# Altium PCB PCB2.PcbDoc (part 2 of 3)
Units mm, origin at the board's own origin, x right, y up, seen from the top; angles counter-clockwise.
Board outline 115.44 x 192.91 mm, 4 copper layers (Top Layer, SignalTop, SignalBottom, Bottom Layer), stack 0.532 mm thick; 200 components, 223 nets, 800 pads, 226 vias.
Unrouted connection lines stored in the file: 2.
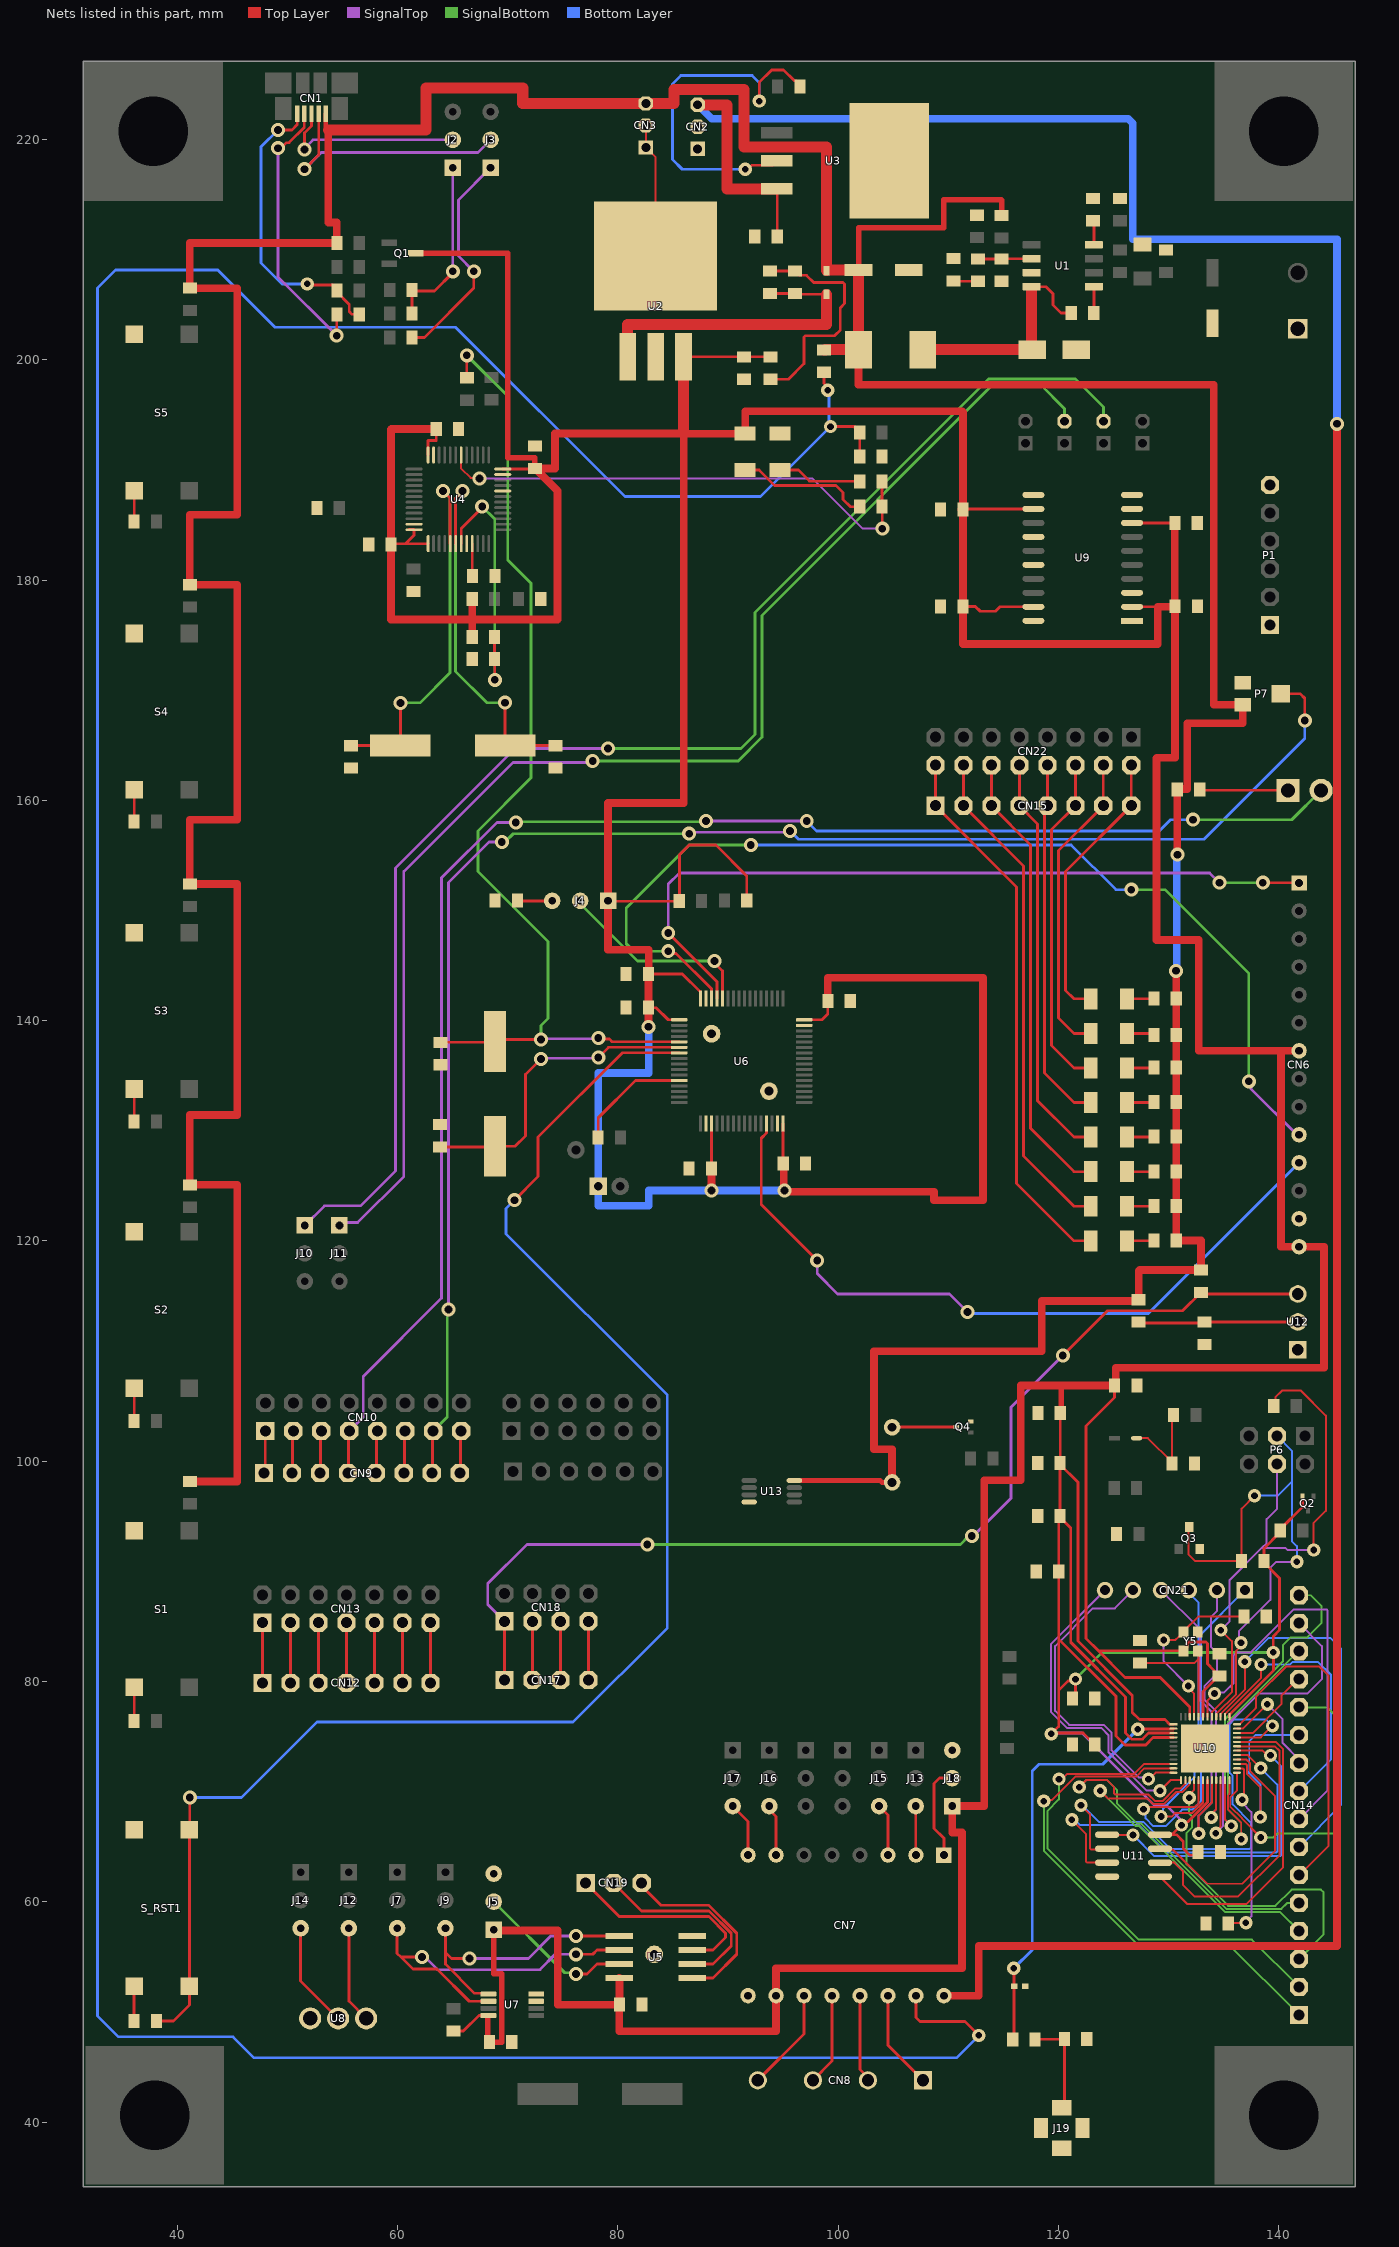
[diagram p4: the nets of this part, all layers, seen from the top]

## Via types
v1: diameter 1.27, hole 0.711, Top Layer to Bottom Layer, tented top, 165 vias
v2: diameter 1.2, hole 0.6, Top Layer to Bottom Layer, 59 vias
v3: diameter 6, hole 3, Top Layer to Bottom Layer, 2 vias

## Nets (pads, with @x,y where several pads share a name; then routed paths per layer and width w, separated by ;. In a path a pad name is that pad's centre, name@x,y a point inside that pad or via, vN(x,y) a via of type N, cw(c..) or ccw(c..) an arc to the next point about the centre after c; other vN are vias at no path point)
+5V: BUZ1.1 C1.1 C3.2 CN1.1 CN3.3 D2.2 L1.2 P7.2 R2.2 R10.2 R35.1 R36.1 R37.1 R38.1 R39.1 R40.1 R41.1 R42.1 R43.1 R44.1 R45.1 R46.1 R47.1 R48.1 R49.2 R50.1 U13.8 | length 460.9
  Top Layer w0.4: 53.497,220.853 CN1.1@53.497,222.317
  Top Layer w0.45: U13.8@96.03,98.257 103.8,98.257 103.973,98.084 BUZ1.1@104.902,98.084
  Top Layer w0.5: C1.1@101.854,208.153 101.854,211.963 109.601,211.963 109.601,214.503 114.808,214.503 114.84,214.471 R2.2@114.84,213.089
  Top Layer w0.7: R35.1@41.148,98.171 45.466,98.171 45.466,125.095 R37.1@41.148,125.095 41.148,131.445 45.466,131.445 45.466,152.4 R41.1@41.148,152.4 41.148,158.242 45.466,158.242 45.466,179.578 R45.1@41.148,179.578 41.148,185.928 45.466,185.928 45.466,206.502 R47.1@41.148,206.502 41.148,210.598 R10.2@54.5,210.598 54.5,212.454 53.738,212.454 53.721,212.471 53.721,220.853 ; L1.2@101.854,200.914 101.854,197.739 134.112,197.739 134.112,168.672 P7.2@136.734,168.672 136.734,167.005 131.699,167.005 131.699,161.036 130.825,161.036 R50.1@130.793,161.004 130.801,160.996 130.801,155.076 v1(130.81,155.067) ; BUZ1.1@104.902,98.084 104.902,101.092 103.251,101.092 103.251,109.982 118.491,109.982 118.491,114.554 127.176,114.554 R49.2@127.286,114.664 127.286,117.27 127.381,117.365 R48.1@132.937,117.365 132.937,120.047 R46.1@130.7,120.047 R44.1@130.7,123.186 R43.1@130.7,126.324 R42.1@130.7,129.463 R40.1@130.7,132.602 R39.1@130.7,135.741 R38.1@130.7,138.716 R36.1@130.7,142.018 130.691,142.026 130.691,144.518 v1(130.683,144.526)
  Top Layer w1: 53.721,220.853 62.611,220.853 62.611,224.663 71.374,224.663 71.374,223.266 CN3.3@82.55,223.266 85.09,223.266 85.09,224.536 91.44,224.536 ; 91.44,224.409 91.44,219.329 98.933,219.329 D2.2@98.933,208.08 ; C3.2@98.711,200.897 98.838,200.897 98.855,200.914 L1.2@101.854,200.914 C1.1@101.854,208.153 D2.2@99.006,208.153
  Bottom Layer w0.7: v1(130.683,144.526) 130.746,144.589 130.746,155.004 v1(130.81,155.067)
+12V: C11.2 CN2.3 CN7.9 U3.3 | length 283.5
  Top Layer w0.254: U3.3@94.448,215.519 94.471,215.496 C11.2@94.471,211.169
  Top Layer w0.7: CN7.9@109.608,51.495 112.776,51.495 ; 112.776,51.562 112.776,56.007 145.288,56.007 v1(145.288,194.183)
  Top Layer w1: CN2.3@87.249,223.139 89.916,223.139 89.916,215.519 U3.3@94.448,215.519
  Bottom Layer w0.7: CN2.3@87.249,223.139 88.519,221.869 126.336,221.869 126.746,221.459 126.746,210.947 145.288,210.947 v1(145.288,194.183)
BOOT0: J4.2 U6.60 | length 18.3
  Top Layer w0.254: v1(88.773,145.415) 88.773,145.253 89.5,144.526 U6.60@89.5,142
  SignalBottom w0.254: J4.2@76.581,150.876 76.581,150.622 81.788,145.415 v1(88.773,145.415)
CNA1: CN9.1 CN10.1 | length 3.9
  Top Layer w0.254: CN9.1@47.879,98.933 48.006,99.06 CN10.1@48.006,102.743
CNA2: CN9.2 CN10.3 | length 3.9
  Top Layer w0.254: CN9.2@50.419,98.933 50.482,98.996 50.482,102.679 CN10.3@50.546,102.743
CNA3: CN9.3 CN10.5 | length 3.9
  Top Layer w0.254: CN9.3@52.959,98.933 53.023,98.996 53.023,102.679 CN10.5@53.086,102.743
CNA5: CN9.5 CN10.9 | length 3.9
  Top Layer w0.254: CN9.5@58.039,98.933 58.102,98.996 58.102,102.679 CN10.9@58.166,102.743
CNA6: CN9.6 CN10.11 | length 3.9
  Top Layer w0.254: CN9.6@60.579,98.933 60.642,98.996 60.642,102.679 CN10.11@60.706,102.743
CNA7: CN9.7 CN10.13 P7.3 | length 144
  Top Layer w0.254: CN9.7@63.119,98.933 63.182,98.996 63.182,102.679 CN10.13@63.246,102.743 ; P7.3@140.184,169.672 141.964,169.672 142.367,169.269 v1(142.367,167.259)
  SignalTop w0.254: v1(64.643,113.792) 64.643,152.527 68.326,156.21 v1(69.469,156.21) ; v1(86.487,156.972) 86.614,157.099 95.504,157.099 v1(95.631,157.226)
  SignalBottom w0.254: CN10.13@63.246,102.743 64.516,104.013 64.516,113.665 v1(64.643,113.792) ; v1(69.469,156.21) 69.744,156.21 70.506,156.972 v1(86.487,156.972)
  Bottom Layer w0.254: v1(95.631,157.226) 96.393,156.464 133.223,156.464 142.367,165.608 v1(142.367,167.259)
CNA8: CN9.8 CN10.15 | length 3.9
  Top Layer w0.254: CN9.8@65.659,98.933 65.722,98.996 65.722,102.679 CN10.15@65.786,102.743
CNA12: CN17.2 CN18.3 | length 5.3
  Top Layer w0.254: CN17.2@72.263,80.137 CN18.3@72.263,85.471
CNA13: CN17.3 CN18.5 | length 5.3
  Top Layer w0.254: CN17.3@74.803,80.137 CN18.5@74.803,85.471
CNA15: CN17.4 CN18.7 | length 5.3
  Top Layer w0.254: CN17.4@77.343,80.137 CN18.7@77.343,85.471
CNB0: CN12.6 CN13.11 | length 5.5
  Top Layer w0.254: CN12.6@60.452,79.883 CN13.11@60.452,85.344
CNB1: CN12.5 CN13.9 | length 5.5
  Top Layer w0.254: CN12.5@57.912,79.883 CN13.9@57.912,85.344
CNB2: CN12.4 CN13.7 | length 5.5
  Top Layer w0.254: CN12.4@55.372,79.883 CN13.7@55.372,85.344
CNB3: CN12.3 CN13.5 | length 5.5
  Top Layer w0.254: CN12.3@52.832,79.883 CN13.5@52.832,85.344
CNB4: CN12.2 CN13.3 | length 5.5
  Top Layer w0.254: CN12.2@50.292,79.883 CN13.3@50.292,85.344
CNB5: CN12.1 CN13.1 | length 5.5
  Top Layer w0.254: CN12.1@47.752,79.883 CN13.1@47.752,85.344
CNB11: CN12.7 CN13.13 | length 5.5
  Top Layer w0.254: CN12.7@62.992,79.883 CN13.13@62.992,85.344
DISP_TFT_DC: CN6.10 U6.62 | length 94
  Top Layer w0.254: v1(84.582,146.304) 84.776,146.11 85.284,146.11 88.5,142.894 U6.62@88.5,142 ; CN6.10@141.837,129.653 CN6.10@141.85,129.64
  SignalTop w0.254: v1(137.287,134.493) 137.481,134.299 137.481,133.809 141.65,129.64 CN6.10@141.85,129.64
  SignalBottom w0.254: v1(84.582,146.304) 81.447,146.304 80.772,146.979 80.772,150.241 86.487,155.956 v1(92.075,155.956) ; v1(126.619,151.892) 129.667,151.892 137.287,144.272 v1(137.287,134.493)
  Bottom Layer w0.254: v1(92.075,155.956) 121.158,155.956 125.222,151.892 v1(126.619,151.892)
DISP_TFT_RST: CN6.11 U6.29 | length 66.9
  Top Layer w0.254: U6.29@93.5,130.66 93.5,129.798 93.024,129.322 93.024,123.317 v1(98.104,118.237) ; CN6.11@141.837,127.113 CN6.11@141.85,127.1
  SignalTop w0.254: v1(98.104,118.237) 98.104,117.034 99.949,115.189 110.109,115.189 v1(111.76,113.538)
  Bottom Layer w0.254: v1(111.76,113.538) 111.887,113.411 128.161,113.411 CN6.11@141.85,127.1
DISP_TFT_T_IRQ: CN6.1 U6.61 | length 70.3
  Top Layer w0.254: v1(84.582,147.955) 89,143.537 U6.61@89,142 ; v1(138.557,152.527) 141.823,152.527 CN6.1@141.85,152.5
  SignalTop w0.254: v1(84.582,147.955) 84.582,152.4 85.598,153.416 133.731,153.416 v1(134.62,152.527)
  SignalBottom w0.254: v1(134.62,152.527) v1(138.557,152.527)
EEPROM_0: CN19.3 U5.1 | length 17.5
  Top Layer w0.254: CN19.3@82.169,61.722 82.169,61.468 83.947,59.69 88.265,59.69 90.805,57.15 90.805,55.245 88.646,53.086 U5.1@86.741,53.086
EEPROM_1: CN19.2 U5.2 | length 17.9
  Top Layer w0.254: CN19.2@79.629,61.722 82.169,59.182 88.265,59.182 90.297,57.15 90.297,56.007 88.646,54.356 U5.2@86.741,54.356
EEPROM_2: CN19.1 U5.3 | length 18.5
  Top Layer w0.254: CN19.1@77.089,61.722 80.137,58.674 88.265,58.674 89.789,57.15 89.789,56.769 88.646,55.626 U5.3@86.741,55.626
EN_A: J12.3 U8.1 | length 8.8
  Top Layer w0.254: J12.3@55.59,57.611 55.59,50.99 U8.1@57.155,49.425
EN_B: J14.3 U8.3 | length 9.6
  Top Layer w0.254: J14.3@51.208,57.611 51.208,52.832 U8.3@54.615,49.425
ESP.VDD_SDIO: C42.2 U10.26 | length 16.9
  Top Layer w0.18: C42.2@135.426,58.02 135.505,58.1 v2(137.025,58.1) ; U10.26@136.204,72.129 136.207,72.127 136.745,72.127 136.85,72.021 136.85,69.45 v2(136.675,69.275)
  SignalTop w0.18: v2(136.675,69.275) 136.675,69.01 137.525,68.16 137.525,58.681 137.025,58.181 v2(137.025,58.1)
ESP_0RXD: P6.3 Q3.3 R30.2 U10.40 | length 48.6
  Top Layer w0.18: Q3.3@131.875,94.025 131.825,93.975 131.825,91.525 132.42,90.93 R30.2@136.624,90.93 136.624,95.699 v2(137.8,96.875) ; U10.40@134.327,76.806 134.331,76.81 134.331,77.073 136.125,78.867 136.125,82.799 136.575,83.249 v2(136.575,83.525)
  SignalTop w0.18: v2(136.575,83.525) 136.38,83.72 136.38,84.555 139.25,87.425 139.25,90.35 139.775,90.875 v2(141.65,90.875) ; v2(137.8,96.875) v2@137.92,96.995
  Bottom Layer w0.18: v2(137.8,96.875) 139.925,96.875 141.2,98.15 ; P6.3@139.85,102.3 141.2,100.95 141.2,98.15 ; v2(141.65,90.875) 141.65,92.3 141.2,92.75 141.2,98.15
ESP_0TXD: P6.4 R31.1 U10.41 | length 51
  Top Layer w0.18: U10.41@133.927,76.806 133.927,77.227 135.75,79.05 135.75,83.675 v2(134.75,84.675) ; R31.1@139.138,105.542 139.556,105.124 R31.1@139.556,104.997 139.706,105.148 139.706,105.797 140.335,106.426 141.986,106.426 144.272,104.14 144.272,95.504 143.175,94.407 v2(143.175,91.95)
  SignalTop w0.18: v2(134.75,84.675) 135.55,85.475 135.55,89.225 138.475,92.15 ; P6.4@139.85,99.76 139.85,95.7 138.9,94.75 138.9,92.575 138.475,92.15 ; v2(143.175,91.95) 140.787,91.95 140.587,92.15 138.475,92.15
ESP_CLK: U10.31 U11.6 | length 27.9
  Top Layer w0.18: U11.6@129.225,63.565 130.535,63.565 131.301,62.799 131.301,61.549 132.35,60.5 136.325,60.5 140.075,64.25 140.075,73.7 139.646,74.129 U10.31@136.204,74.129
ESP_GPIO0: CN14.16 U10.23 | length 31.6
  Top Layer w0.18: U10.23@135.127,71.052 135.127,67.473 v2(135.7,66.9)
  SignalBottom w0.18: v2(135.7,66.9) 135.125,67.475 135.125,76.575 140.375,81.825 140.375,83.3 141.1,84.025 142.6,84.025 143.9,85.325 143.9,86.85 142.91,87.84 CN14.16@141.85,87.84
ESP_GPIO2: CN14.15 U10.22 | length 31.5
  Top Layer w0.18: v2(134.3,66.25) 134.3,66.438 134.727,66.865 U10.22@134.727,71.052
  SignalTop w0.18: v2(134.3,66.25) 134.925,66.875 134.925,75.65 138.175,78.9 142.6,78.9 143.925,80.225 143.925,83.225 CN14.15@141.85,85.3
ESP_GPIO4: CN14.14 U10.24 | length 26.2
  Top Layer w0.18: U10.24@135.527,71.052 135.527,69.802 135.375,69.65 135.375,68.425 136.6,67.2 v2(136.6,65.7)
  SignalBottom w0.18: v2(136.6,65.7) 136.6,67.2 135.375,68.425 135.375,76.375 141.76,82.76 CN14.14@141.85,82.76
ESP_GPIO5: CN14.13 U10.34 | length 8.1
  Top Layer w0.18: U10.34@136.204,75.329 137.629,75.329 140.25,77.95 140.25,78.725 141.745,80.22 CN14.13@141.85,80.22
ESP_GPIO12: CN21.3 U10.18 | length 28.7
  Top Layer w0.18: v2(129.325,67.75) 130.275,67.75 130.6,68.075 132.175,68.075 133.127,69.027 U10.18@133.127,71.052
  Bottom Layer w0.18: v2(129.325,67.75) 129.498,67.923 129.498,68.448 132.35,71.3 132.35,73.371 132.7,73.721 132.7,87.185 131.85,88.035 CN21.3@131.85,88.3
ESP_GPIO13: CN21.4 U10.20 | length 29.9
  Top Layer w0.18: v2(132.75,66.2) 132.725,66.225 132.725,67.825 133.927,69.027 U10.20@133.927,71.052
  SignalTop w0.18: CN21.4@129.31,88.3 132.875,84.735 132.875,78.3 133.9,77.275 133.9,69 132.725,67.825 132.725,66.225 v2(132.75,66.2)
ESP_GPIO14: CN21.1 U10.17 | length 35.3
  Top Layer w0.18: v2(127.725,68.425) 127.875,68.425 128.15,68.7 128.225,68.625 132.375,68.625 132.727,68.977 U10.17@132.727,71.052
  Bottom Layer w0.18: v2(127.725,68.425) 127.92,68.23 127.92,67.58 128.625,66.875 129.725,66.875 131.225,68.375 132.15,68.375 132.95,69.175 132.95,84.32 CN21.1@136.93,88.3
ESP_GPIO15: CN21.2 U10.21 | length 25.7
  Top Layer w0.18: v2(133.875,67.675) 133.875,67.951 134.327,68.403 U10.21@134.327,71.052
  SignalTop w0.18: v2(133.875,67.675) 133.875,67.951 134.325,68.401 134.325,77.3 133.25,78.375 133.25,79.575 134.39,80.715 134.39,82.611 133.875,83.126 133.875,85.889 134.39,86.404 CN21.2@134.39,88.3
ESP_GPIO16: CN14.12 U10.25 | length 28.7
  Top Layer w0.18: U10.25@136.204,71.729 136.204,70.104 135.6,69.5 135.6,68.65 136.675,67.575 136.675,67.55 v2(138.375,65.85)
  SignalBottom w0.18: v2(138.375,65.85) 139.525,65.85 139.9,66.225 145.1,66.225 145.4,66.525 145.4,76.65 144.4,77.65 141.88,77.65 CN14.12@141.85,77.68
ESP_GPIO17: CN14.11 U10.27 | length 18.2
  Top Layer w0.18: U10.27@136.204,72.529 136.995,72.529 137.1,72.424 137.1,71.65 138.325,70.425 v2(138.325,67.7)
  Bottom Layer w0.18: v2(138.325,67.7) 138.325,70.675 137.325,71.675 137.325,71.825 137.325,74.575 137.89,75.14 CN14.11@141.85,75.14
ESP_GPIO18: CN14.10 U10.35 | length 10.2
  Top Layer w0.18: U10.35@136.204,75.729 136.754,75.729 v2(138.975,77.95)
  SignalTop w0.18: v2(138.975,77.95) 140.35,76.575 140.35,74.425 141.85,72.925 CN14.10@141.85,72.6
ESP_GPIO19: CN14.9 U10.38 | length 24.8
  Top Layer w0.18: U10.38@135.127,76.806 135.131,76.81 135.131,77.073 138.4,80.342 v2(138.4,81.55)
  Bottom Layer w0.18: v2(138.4,81.55) 141.013,81.55 141.238,81.775 143.575,81.775 144.75,80.6 144.75,72.96 CN14.9@141.85,70.06
ESP_GPIO21: CN14.8 U10.42 | length 37.3
  Top Layer w0.18: U10.42@133.527,76.806 133.527,78.277 v2(134.175,78.925)
  SignalTop w0.18: v2(134.175,78.925) 134.27,79.02 135.045,79.02 135.9,79.875 135.9,82.375 136.175,82.65 137.475,82.65 141.375,86.55 144.345,86.55 144.45,86.445 144.45,70.12 CN14.8@141.85,67.52
ESP_GPIO22: CN14.7 U10.39 | length 35.5
  Top Layer w0.18: U10.39@134.727,76.806 134.727,77.069 136.925,79.267 v2(136.925,81.8)
  Bottom Layer w0.18: v2(136.925,81.8) 139.1,83.975 144.675,83.975 145.675,82.975 145.675,68.805 CN14.7@141.85,64.98
ESP_GPIO23: CN14.6 U10.36 | length 30.6
  Top Layer w0.18: U10.36@136.204,76.129 136.467,76.129 137.9,77.562 137.9,77.6 137.925,77.625 137.925,78.616 140.68,81.371 143.673,81.371 144.526,80.518 144.526,65.116 CN14.6@141.85,62.44
ESP_GPIO25: CN14.5 U10.14 | length 38
  Top Layer w0.18: v2(121.9,70.425) 122.55,71.075 124.375,71.075 125.05,70.4 125.05,69.855 125.155,69.75 128.175,69.75 128.775,69.15 129.45,69.15 130.612,70.312 131.112,70.312 131.525,70.725 131.525,71.049 U10.14@131.527,71.052
  SignalBottom w0.18: v2(121.9,70.425) 122.55,71.075 124.4,71.075 125.325,70.15 125.325,68.925 127.15,67.1 127.525,67.1 135.25,59.375 140.25,59.375 140.775,59.9 CN14.5@141.85,59.9
ESP_GPIO26: CN14.4 U10.15 | length 33.1
  Top Layer w0.18: v2(123.8,70.1) 124.5,69.4 128.075,69.4 128.6,68.875 129.575,68.875 130.675,69.975 131.225,69.975 131.925,70.675 131.925,71.049 U10.15@131.927,71.052
  SignalBottom w0.18: v2(123.8,70.1) 127.025,66.875 127.35,66.875 135.15,59.075 140.135,59.075 CN14.4@141.85,57.36
ESP_GPIO27: CN14.3 U10.16 | length 29.8
  Top Layer w0.18: v2(131.875,69.45) 131.875,69.726 132.327,70.178 U10.16@132.327,71.052
  SignalBottom w0.18: v2(131.875,69.45) 131.875,68.025 132.15,67.75 132.15,66.775 131.65,66.275 131.65,63.4 135.4,59.65 139.7,59.65 141.175,61.125 143.825,61.125 144.075,60.875 144.075,57.045 CN14.3@141.85,54.82
ESP_GPIO32: CN21.5 U10.12 | length 29.5
  Top Layer w0.18: v2(128.175,71.15) 128.247,71.15 128.826,71.729 U10.12@130.45,71.729
  SignalTop w0.18: CN21.5@126.77,88.3 125.12,86.65 123.125,86.65 119.7,83.225 119.7,77.35 120.975,76.075 124.1,76.075 124.825,75.35 124.825,73.75 127.275,71.3 128.025,71.3 v2(128.175,71.15)
ESP_GPIO33: CN21.6 U10.13 | length 29.1
  Top Layer w0.18: v2(129.225,70.1) 130.177,71.052 U10.13@131.127,71.052
  SignalTop w0.18: CN21.6@124.23,88.3 119.35,83.42 119.35,77.225 120.8,75.775 123.925,75.775 124.55,75.15 124.55,73.575 128.025,70.1 v2(129.225,70.1)
ESP_GPIO34: CN14.2 U10.10 | length 45.7
  Top Layer w0.18: v2(120.05,71.15) 120.326,71.15 120.801,71.625 126.9,71.625 127.804,72.529 U10.10@130.45,72.529
  SignalBottom w0.18: v2(120.05,71.15) 120.05,69.3 119,68.25 119,64.875 127.3,56.575 137.555,56.575 CN14.2@141.85,52.28
ESP_GPIO35: CN14.1 U10.11 | length 46.9
  Top Layer w0.18: v2(118.675,69.15) 118.785,69.26 119.435,69.26 121.55,71.375 127.05,71.375 127.804,72.129 U10.11@130.45,72.129
  SignalBottom w0.18: v2(118.675,69.15) 118.675,64.65 127.15,56.175 135.415,56.175 CN14.1@141.85,49.74
ESP_SCS: U10.30 U11.1 | length 29.3
  Top Layer w0.18: U11.1@124.425,66.105 124.44,66.09 126.76,66.09 v2(126.775,66.075) ; U10.30@136.204,73.729 138.545,73.729 138.974,73.3 v2(139.25,73.3)
  Bottom Layer w0.18: v2(126.775,66.075) 128.7,64.15 140.12,64.15 140.225,64.255 140.225,72.325 v2(139.25,73.3)
ESP_SDI: U10.32 U11.5 | length 28.8
  Top Layer w0.18: U11.5@129.225,62.295 131.72,59.8 137.05,59.8 140.4,63.15 140.4,73.85 139.721,74.529 U10.32@136.204,74.529
ESP_SDO: U10.33 U11.2 | length 42.9
  Top Layer w0.18: v2(122.05,68.775) 122.85,67.975 122.85,64.88 122.955,64.775 124.365,64.775 U11.2@124.425,64.835 ; U10.33@136.204,74.929 138.379,74.929 v2(139.425,75.975)
  SignalBottom w0.18: v2(122.05,68.775) v2@122.18,68.775
  Bottom Layer w0.18: v2@122.18,68.775 123.68,67.275 127.7,67.275 130.15,64.825 137.37,64.825 137.475,64.93 137.475,67.2 135.825,68.85 135.825,71.45 135.55,71.725 135.55,76.15 135.963,76.563 138.837,76.563 v2(139.425,75.975)
ESP_SHD: U10.28 U11.7 | length 23.2
  Top Layer w0.18: U11.7@129.225,64.835 129.303,64.757 130.393,64.757 133.5,61.65 136.7,61.65 139.675,64.625 139.675,69.575 137.4,71.85 137.4,72.595 137.066,72.929 U10.28@136.204,72.929
ESP_SWP: U10.29 U11.3 | length 37.1
  Top Layer w0.18: v2(121.225,67.45) 122.5,66.175 122.5,63.67 122.605,63.565 U11.3@124.425,63.565 ; U10.29@136.204,73.329 137.196,73.329 v2(138.375,72.15)
  Bottom Layer w0.18: v2(121.225,67.45) 121.501,67.45 121.951,67 127.3,67 129.825,64.475 139.77,64.475 139.875,64.58 139.875,70.65 v2(138.375,72.15)
ESP_VDDA43: C12.2 C13.2 C17.2 C18.2 C19.2 C20.2 C24.2 C25.2 C26.2 C27.2 C28.2 C29.2 C30.2 C38.2 C39.2 C40.2 C41.2 C43.2 C44.2 C46.2 C47.2 C48.2 C49.2 C51.2 C52.2 C53.2 CN6.7 CN6.14 CN7.15 D3.1 J4.1 J5.1 J18.1 L2.1 Q1.3 Q2.2 R7.1 R19.1 R23.1 R24.1 R26.2 R28.1 R30.1 U2.3 U4.1 U4.9 U4.24 U4.36 U4.48 U5.8 U6.1 U6.19 U6.32 U6.48 U6.64 U7.8 U9.2 U9.8 U9.12 U9.19 U10.1 U10.3 U10.4 U10.19 U10.37 U10.43 U10.46 U11.8 Y5.4 | length 926
  Top Layer w0.254: C20.2@59.468,183.244 59.524,183.3 60.745,183.3 ; U4.48@61.046,184.573 61.048,184.575 U4.48@61.507,184.575 61.507,184.062 60.745,183.3 ; U4.1@62.782,183.3 60.745,183.3 ; U4.36@62.782,191.35 62.782,192.659 63.517,192.659 C17.2@63.517,193.707 ; R26.2@65.095,48.274 65.974,48.274 67.4,49.7 U7.8@68.199,49.7 ; U4.9@66.782,183.3 66.782,180.409 C19.2@66.819,180.372 ; U4.24@69.557,190.075 72.424,190.075 C18.2@72.485,190.136 ; J4.1@79.121,150.876 79.153,150.844 R23.1@85.581,150.844 85.598,150.862 85.598,155.067 86.487,155.956 88.9,155.956 91.711,153.145 R24.1@91.711,150.908 ; C26.2@82.787,144.24 85.855,144.24 87.5,142.595 U6.64@87.5,142 ; C30.2@82.814,141.165 83.498,141.165 84.583,140.08 U6.1@85.58,140.08 ; U2.3@85.979,200.279 85.996,200.262 C12.2@91.472,200.262 C13.2@93.885,200.262 ; C29.2@88.502,126.587 U6.19@88.5,130.66 ; U6.32@95,130.66 95,127.045 C28.2@95.013,127.032 ; U6.48@96.92,140.08 98.551,140.08 99.06,140.589 99.06,141.746 C27.2@99.077,141.764 ; C40.2@111.334,177.611 112.457,177.611 112.903,177.165 114.3,177.165 114.706,177.571 U9.19@117.73,177.571 ; C41.2@111.334,186.411 111.383,186.461 U9.12@117.73,186.461 ; C47.2@120.151,95.045 120.151,99.718 121.775,98.094 121.775,83.675 126.7,78.75 126.7,77.2 127.35,76.55 129.675,76.55 130.096,76.129 U10.1@130.45,76.129 ; C48.2@120.151,99.845 120.176,99.87 C51.2@120.176,104.395 ; C43.2@121.268,78.45 121.55,78.732 v2(121.55,80.225) 121.369,80.044 120.869,80.044 120.026,79.201 ; C44.2@123.3,74.275 122.25,75.325 119.425,75.325 v2(119.35,75.25) 120.026,75.926 120.026,79.201 ; C53.2@125.099,106.88 125.099,105.795 122.5,103.196 122.5,83.925 123.625,82.8 ; U9.2@126.686,177.571 129.032,177.571 ; U9.8@126.686,185.191 130.567,185.191 C39.2@130.573,185.198 ; U10.4@130.45,74.929 128.604,74.929 127.925,74.25 126.05,74.25 125.225,75.075 125.225,78.675 120.026,83.874 ; U10.3@130.45,75.329 128.179,75.329 127.625,74.775 126.65,74.775 126.1,75.325 126.1,78.6 121.125,83.575 121.125,93.944 120.151,94.918 120.026,94.793 C46.2@120.026,89.995 120.026,83.874 ; v2(131.175,66.975) 130.371,66.171 129.291,66.171 U11.8@129.225,66.105 130.706,66.105 131.333,65.478 131.333,64.857 131.96,64.23 132.38,64.23 C49.2@132.675,64.525 ; 131.752,67.277 133.527,69.052 U10.19@133.527,71.052 ; U10.46@131.927,76.806 131.927,77.698 129.25,80.375 126.05,80.375 123.625,82.8 ; U10.43@133.127,76.806 133.127,79.108 C52.2@134.518,80.499 ; C52.2@134.645,80.499 C52.2@134.518,80.499 ; U10.37@135.527,76.806 135.527,77.007 139.525,81.005 139.525,82.625 v2(139.5,82.65) 139.5,84.1 140.075,84.675 140.075,89.384 138.656,90.803 R30.1@138.656,90.93 138.656,92.086 140.143,93.573 R28.1@140.143,93.7 140.143,93.827 142.15,95.834 Q2.2@142.15,96.823 ; 120.026,79.201 120.026,83.874 ; 123.625,82.8 Y5.4@131.35,82.8 131.673,83.123 131.673,83.451 131.822,83.6 133.376,83.6 133.525,83.451 133.525,81.62 134.137,81.007 134.137,80.88 C52.2@134.518,80.499
  Top Layer w0.5: Q1.3@61.652,209.677 70.009,209.677 ; 68.199,49.403 68.199,47.42 C25.2@68.343,47.276 68.375,47.244 69.469,47.244 69.469,53.494 68.734,53.494 J5.1@68.734,57.484 ; 70.009,209.645 70.009,191.103 72.485,191.103 C18.2@72.485,190.136 ; 85.979,193.294 85.98,193.293 ; C51.2@120.176,104.395 120.269,104.489 120.269,106.88
  Top Layer w0.7: 59.419,176.42 C20.2@59.419,183.229 59.419,193.675 59.45,193.707 C17.2@63.517,193.707 ; 59.436,176.42 66.785,176.42 ; R19.1@66.785,174.847 66.785,176.42 ; R7.1@66.785,178.276 66.785,176.42 ; J5.1@68.734,57.484 68.814,57.404 74.549,57.404 74.549,50.673 80.123,50.673 C24.2@80.137,50.687 ; U5.8@80.137,53.086 80.154,53.069 C24.2@80.154,50.705 C24.2@80.137,50.687 ; v1(82.804,139.446) 82.795,139.455 C30.2@82.795,141.184 ; C30.2@82.814,141.165 C30.2@82.795,141.184 ; 85.98,193.293 D3.1@91.567,193.293 91.567,195.326 111.252,195.326 111.334,195.244 C41.2@111.334,186.411 C40.2@111.334,177.611 111.334,174.244 ; C29.2@88.502,126.587 C29.2@88.502,126.587 88.51,126.579 88.51,124.596 v1(88.519,124.587) ; C28.2@95.013,127.032 95.068,126.977 95.068,124.642 v1(95.123,124.587) 95.232,124.478 108.712,124.478 108.712,123.698 113.157,123.698 113.157,143.891 99.06,143.891 99.06,141.781 C27.2@99.077,141.764 ; 111.334,174.199 129.032,174.199 129.032,177.571 130.533,177.571 C38.2@130.573,177.612 ; 116.579,106.88 116.579,98.291 113.277,98.291 113.277,68.7 J18.1@110.37,68.7 110.37,66.301 110.363,66.294 111.252,66.294 111.252,53.975 94.361,53.975 94.368,53.968 CN7.15@94.368,51.495 94.368,48.267 94.361,48.26 80.137,48.26 C24.2@80.137,50.687 ; 116.586,106.88 120.269,106.88 C53.2@125.099,106.88 125.195,106.975 125.195,108.485 144.118,108.485 144.118,119.48 CN6.14@141.85,119.48 140.208,119.48 140.208,137.26 ; C39.2@130.573,185.198 C38.2@130.573,177.612 ; CN6.7@141.85,137.26 140.208,137.26 ; 66.785,176.42 74.532,176.42 74.532,188.09 C18.2@72.485,190.136 72.503,190.119 74.295,190.119 74.295,193.294 85.979,193.294 85.979,159.766 79.121,159.766 J4.1@79.121,150.876 79.121,146.431 82.804,146.431 82.804,144.258 C26.2@82.787,144.24 C30.2@82.787,141.192 C30.2@82.795,141.184 ; C38.2@130.573,177.612 C38.2@130.582,177.621 130.582,163.856 128.931,163.856 128.905,163.83 128.905,147.32 132.742,147.32 132.742,137.26 140.208,137.26
  Top Layer w1: 85.979,193.294 U2.3@85.979,200.279
  SignalTop w0.254: v2(119.35,75.25) 119.425,75.325 122.148,75.325 128.773,68.7 129.875,68.7 130.994,67.581 130.994,67.156 v2(131.175,66.975)
  SignalBottom w0.254: v2(121.55,80.225) 123.975,82.65 v2(139.5,82.65)
  Bottom Layer w0.7: v1(82.804,139.446) 82.804,135.255 78.232,135.255 L2.1@78.232,124.968 78.232,123.19 82.804,123.19 82.804,124.587 v1(88.519,124.587) v1(95.123,124.587)
ESP_XTAL_N: C57.2 U10.44 Y5.1 | length 11.5
  Top Layer w0.18: C57.2@127.395,81.699 132.376,81.699 132.727,82.05 ; Y5.1@132.65,82.8 132.727,82.723 132.727,82.05 ; U10.44@132.727,76.806 132.727,82.05
ESP_XTAL_P: C56.2 U10.45 Y5.3 | length 16.4
  Top Layer w0.18: v2(129.55,83.775) 130.625,83.775 130.94,84.09 130.99,84.09 131.35,84.45 Y5.3@131.35,84.5 131.35,84.55 132.725,85.925 C56.2@136.843,85.925 ; v2(131.8,79.6) 131.8,79.424 132.327,78.897 U10.45@132.327,76.806
  SignalTop w0.18: v2(129.55,83.775) 129.55,81.85 v2(131.8,79.6)
EX_GND: C1.2 C3.1 C4.2 C5.1 C6.1 C8.1 C9.1 C10.1 C11.1 C16.1 CN2.1 CN2.2 CN7.10 D1.2 J1.1 R3.1 R4.1 R5.1 R6.1 U1.7 U3.2 U3.4 | length 370
  Top Layer w0.254: v2(91.567,217.297) 91.823,217.297 92.187,217.661 94.05,217.661 U3.2@94.448,218.059 ; v2(92.837,223.476) 92.837,225.171 93.98,226.314 95.045,226.314 96.029,225.33 96.156,225.33 96.537,224.949 C10.1@96.537,224.822 ; C3.1@98.711,198.865 98.711,197.836 99.06,197.487 v2(99.06,197.231) ; v2(99.314,193.929) 101.424,193.929 101.456,193.897 101.583,193.897 101.964,193.516 C16.1@101.964,193.389 R6.1@101.964,191.23 ; CN7.10@107.068,51.495 107.068,49.523 107.442,49.149 111.506,49.149 v2(112.776,47.879)
  Bottom Layer w0.254: v2(91.567,217.297) 85.852,217.297 84.963,218.186 84.963,225.044 85.725,225.806 92.202,225.806 92.837,225.171 v2(92.837,223.476) ; v2(99.06,197.231) 99.187,197.104 99.187,194.056 v2(99.314,193.929) 92.964,187.579 80.645,187.579 65.278,202.946 48.895,202.946 43.688,208.153 34.417,208.153 32.766,206.502 32.766,49.657 34.671,47.752 45.085,47.752 46.99,45.847 110.744,45.847 v2(112.776,47.879)
GND: C12.1 C13.1 C14.1 C15.1 C17.1 C18.1 C19.1 C20.1 C21.1 C22.1 C23.1 C24.1 C25.1 C26.1 C27.1 C28.1 C29.1 C30.1 C33.1 C34.1 C35.1 C38.1 C39.1 C40.1 C41.1 C42.1 C43.1 C44.1 C46.1 C47.1 C48.1 C49.1 C51.1 C52.1 C53.1 C55.1 C56.1 C57.1 C58.1 C59.2 C60.2 C61.2 C62.2 C63.2 C64.2 C65.1 CN1.5 CN3.1 CN3.2 CN6.13 CN7.16 D4.2 J5.3 J18.3 J19.2 J19.3 J19.4 L3.1 P1.1 P1.6 P7.1 pad.@83.312,55.245 pad.@88.519,138.811 pad.@93.726,133.604 Q3.2 Q4.2 R6.2 R8.2 R14.2 R15.2 R16.1 R22.1 R25.2 R33.2 S1.2 S2.2 S3.2 S4.2 S5.2 S_RST1.2 U2.2 U2.4 U4.8 U4.20 U4.23 U4.35 U4.47 U5.4 U6.12 U6.18 U6.31 U6.47 U6.63 U7.3 U7.4 U8.2 U9.1 U9.3 U9.9 U9.10 U9.11 U9.14 U9.16 U9.20 U10.49 U11.4 U12.1 U13.4 Y5.2 | length 88.8
  Top Layer w0.18: CN3.2@82.55,221.266 CN3.1@82.55,219.266 83.439,218.377 U2.4@83.439,209.423
  Top Layer w0.254: C64.2@36.085,49.181 36.085,52.313 S_RST1.2@36.108,52.336 ; C59.2@36.085,76.409 36.108,76.432 S1.2@36.108,79.489 ; C60.2@36.085,103.638 36.108,103.661 S2.2@36.108,106.641 ; C61.2@36.085,130.867 36.108,130.89 S3.2@36.108,133.794 ; C62.2@36.085,158.096 36.108,158.119 S4.2@36.108,160.946 ; C63.2@36.085,185.325 36.108,185.347 S5.2@36.108,188.099 ; v1(49.149,220.853) 50.419,220.853 50.897,221.331 CN1.5@50.897,222.317 ; v2(51.816,206.883) 51.911,206.788 54.119,206.788 54.5,206.407 R14.2@54.5,206.28 54.5,206.153 55.626,205.027 55.626,204.375 55.88,204.121 R22.1@56.532,204.121 ; C33.1@78.215,129.381 78.232,129.399 78.232,131.191 81.621,134.58 U6.12@85.58,134.58 ; C15.1@93.821,208.043 C14.1@96.107,208.043 96.488,207.662 97.138,207.662 97.79,207.01 100.435,207.01 100.584,206.861 100.584,205.105 100.203,204.724 100.203,202.692 99.695,202.184 97.05,202.184 96.901,202.035 96.901,199.644 95.487,198.23 C13.1@93.885,198.23
  Bottom Layer w0.254: v1(49.149,220.853) 47.625,219.329 47.625,208.788 49.53,206.883 v2(51.816,206.883)
I2C_SCL: J7.3 U5.6 U7.6 | length 33.4
  Top Layer w0.254: J7.3@59.971,57.611 59.971,55.329 60.309,54.991 ; v1(62.23,54.991) 60.309,54.991 ; U7.6@68.262,50.985 66.515,50.985 63.6,53.9 61.4,53.9 60.309,54.991 ; v1(76.2,55.245) 77.727,55.245 78.108,55.626 U5.6@80.137,55.626
  SignalTop w0.254: v1(62.23,54.991) 62.505,54.991 63.648,53.848 72.933,53.848 74.33,55.245 v1(76.2,55.245)
I2C_SDA: J9.3 U5.5 U7.5 | length 25.1
  Top Layer w0.254: J9.3@64.353,57.611 64.353,55.408 ; v1(66.548,54.864) 64.897,54.864 64.353,55.408 ; U7.5@68.262,51.635 68.197,51.7 67,51.7 64.353,54.348 64.353,55.408 ; v1(76.2,56.896) U5.5@80.137,56.896
  SignalTop w0.254: v1(66.548,54.864) 71.882,54.864 73.914,56.896 v1(76.2,56.896)
IR_D: CN9.4 CN10.7 D14.2 | length 141.4
  Top Layer w0.254: CN9.4@55.499,98.933 55.562,98.996 55.562,102.679 CN10.7@55.626,102.743
  SignalTop w0.254: CN10.7@55.626,102.743 56.896,104.013 56.896,107.696 64.008,114.808 64.008,152.971 69.025,157.988 v1(70.739,157.988) ; v1(88.011,158.115) v1(97.155,158.115)
  SignalBottom w0.254: v1(70.739,157.988) 70.802,158.052 87.947,158.052 v1(88.011,158.115) ; v1(132.207,158.242) 141.184,158.242 D14.2@143.851,160.909
  Bottom Layer w0.254: v1(97.155,158.115) 98.044,157.226 129.159,157.226 130.175,158.242 v1(132.207,158.242)
IR_OUT: CN17.1 CN18.1 R48.2 U12.3 | length 98.8
  Top Layer w0.254: CN17.1@69.723,80.137 CN18.1@69.723,85.471 ; v1(120.396,109.601) 124.46,113.665 131.269,113.665 R48.2@132.937,115.333 133.082,115.189 U12.3@141.732,115.189
  SignalTop w0.254: CN18.1@69.723,85.471 68.199,86.995 68.199,88.9 71.755,92.456 v1(82.677,92.456) ; v1(112.141,93.218) 112.268,93.218 115.697,96.647 115.697,104.902 v1(120.396,109.601)
  SignalBottom w0.254: v1(82.677,92.456) 111.104,92.456 111.866,93.218 v1(112.141,93.218)
LED0: CN15.8 CN22.2 D6.2 | length 25.5
  Top Layer w0.254: D6.2@122.937,141.986 121.412,141.986 120.65,142.748 120.65,153.543 CN15.8@126.619,159.512 CN22.2@126.619,163.195
LED1: CN15.7 CN22.4 D7.2 | length 28.1
  Top Layer w0.254: D7.2@122.937,138.847 121.412,138.847 120.015,140.244 120.015,155.448 CN15.7@124.079,159.512 CN22.4@124.079,163.195
LED2: CN15.6 CN22.6 D8.2 | length 30.7
  Top Layer w0.254: CN22.6@121.539,163.195 CN15.6@121.539,159.512 119.38,157.353 119.38,137.741 121.412,135.709 D8.2@122.937,135.709
LED3: CN15.5 CN22.8 D9.2 | length 33.4
  Top Layer w0.254: CN22.8@118.999,163.195 CN15.5@118.999,159.512 118.745,159.258 118.745,135.237 121.412,132.57 D9.2@122.937,132.57
LED4: CN15.4 CN22.10 D10.2 | length 37.3
  Top Layer w0.254: CN22.10@116.459,163.195 CN15.4@116.459,159.512 118.11,157.861 118.11,132.733 121.412,129.431 D10.2@122.937,129.431
LED5: CN15.3 CN22.12 D11.2 | length 41.5
  Top Layer w0.254: CN22.12@113.919,163.195 CN15.3@113.919,159.512 117.475,155.956 117.475,130.229 121.412,126.292 D11.2@122.937,126.292
LED6: CN15.2 CN22.14 D12.2 | length 45.7
  Top Layer w0.254: CN22.14@111.379,163.195 CN15.2@111.379,159.512 116.84,154.051 116.84,127.726 121.412,123.154 D12.2@122.937,123.154
LED7: CN15.1 CN22.16 D13.2 | length 49.9
  Top Layer w0.254: CN22.16@108.839,163.195 CN15.1@108.839,159.512 116.205,152.146 116.205,125.222 121.412,120.015 D13.2@122.937,120.015
LED-STLINK: R17.2 R21.2 U4.30 | length 46
  Top Layer w0.18: U4.30@65.782,191.35 65.782,190.123 66.637,189.268 67.399,189.268 v1(67.437,189.23)
  Top Layer w0.254: R21.2@103.996,188.944 R17.2@103.996,186.658 104.013,186.641 v1(104.013,184.658)
  SignalTop w0.18: v1(67.437,189.23) 97.663,189.23 102.235,184.658 v1(104.013,184.658)
LNA_IN: C54.2 L3.2 U10.2 | length 39.5
  Top Layer w0.254: C54.2@115.849,47.53 115.975,47.655 L3.2@115.975,52.35 115.963,52.362 115.963,53.963 v2(115.951,53.975) ; v2(127.2,75.675) 127.227,75.702 130.423,75.702 U10.2@130.45,75.729
  Bottom Layer w0.254: v2(115.951,53.975) 117.625,55.649 117.625,71.9 118.225,72.5 124.025,72.5 v2(127.2,75.675)
MOTOR_DIR: CN7.8 J17.3 | length 5
  Top Layer w0.254: J17.3@90.431,68.7 91.821,67.31 91.821,64.262 CN7.8@91.828,64.255
MOTOR_MS1: CN7.2 J13.3 | length 4.5
  Top Layer w0.254: J13.3@107.047,68.7 107.057,68.689 107.057,64.266 CN7.2@107.068,64.255
MOTOR_MS2: CN7.3 J15.3 | length 4.8
  Top Layer w0.254: J15.3@103.724,68.7 103.724,68.695 104.521,67.898 104.521,64.262 CN7.3@104.528,64.255
MOTOR_STEP: CN7.7 J16.3 | length 4.7
  Top Layer w0.254: J16.3@93.754,68.7 93.754,68.363 94.368,67.749 CN7.7@94.368,64.255
NetBUZ1_2: BUZ1.2 Q4.3 | length 5.8
  Top Layer w0.254: BUZ1.2@104.902,103.084 104.922,103.104 110.711,103.104 Q4.3@110.731,103.124
NetC2_1: C2.1 U1.1 | length 2.4
  Top Layer w0.254: U1.1@123.19,206.598 U1.1@123.221,206.629 123.221,204.261 C2.1@123.207,204.248
NetC2_2: C2.2 D1.1 L1.1 U1.8 | length 20.6
  Top Layer w0.254: U1.8@117.571,206.629 118.872,206.629 119.507,205.994 119.507,204.978 120.237,204.248 C2.2@121.175,204.248
  Top Layer w1: L1.1@107.696,200.914 D1.1@117.571,200.914 ; U1.8@117.571,206.375 D1.1@117.571,200.914 ; D1.1@117.634,200.914 D1.1@117.571,200.914
NetC7_1: C7.1 R5.2 | length 2.2
  Top Layer w0.254: R5.2@110.458,207.154 110.493,207.12 C7.1@112.681,207.12
NetC7_2: C7.2 C8.2 U1.6 | length 4.9
  Top Layer w0.254: C7.2@112.681,209.152 C8.2@114.84,209.152 114.857,209.169 U1.6@117.571,209.169
NetC9_2: C9.2 U1.4 | length 2.2
  Top Layer w0.254: C9.2@123.158,212.615 123.221,212.553 U1.4@123.221,210.439
NetC14_2: C14.2 C15.2 D2.1 U2.1 | length 29
  Top Layer w0.254: C15.2@93.821,206.011 C14.2@96.107,206.011 96.179,205.94 D2.1@98.933,205.94
  Top Layer w1: U2.1@80.772,200.406 U2.1@80.899,200.279 80.899,203.2 98.933,203.2 D2.1@98.933,205.94
NetC21_2: C21.2 U4.5 Y1.2 | length 35.8
  Top Layer w0.254: C21.2@55.802,164.973 Y1.2@60.267,164.973 v1(60.267,168.852) ; v1(64.135,188.087) 64.782,187.44 U4.5@64.782,183.3
  SignalBottom w0.254: v1(60.267,168.852) 62.045,168.852 64.778,171.585 64.778,187.444 v1(64.135,188.087)
NetC22_2: C22.2 U4.6 Y1.1 | length 35.8
  Top Layer w0.254: U4.6@65.282,183.3 65.282,187.451 v1(65.916,188.084) ; v1(69.767,168.866) Y1.1@69.767,164.973 C22.2@74.309,164.973
  SignalBottom w0.254: v1(65.916,188.084) 65.278,187.447 65.278,171.704 68.116,168.866 v1(69.767,168.866)
NetC23_2: C23.2 R19.2 U4.7 | length 24.3
  Top Layer w0.254: U4.7@65.782,183.3 65.782,184.654 67.691,186.563 v1(67.691,186.69) ; R19.2@68.817,174.847 C23.2@68.817,172.815 68.834,172.798 v1(68.834,170.942)
  SignalBottom w0.254: v1(67.691,186.69) 68.834,185.547 v1(68.834,170.942)
NetC34_2: C34.2 R9.2 U6.5 Y3.2 | length 93.7
  Top Layer w0.254: C34.2@63.913,138.032 68.759,138.032 Y3.2@68.834,138.107 69.03,138.303 v1(73.025,138.303) ; v1(66.294,200.406) 66.294,198.388 R9.2@66.326,198.357 ; v1@78.507,138.43 v1(78.232,138.43) 78.328,138.334 79.248,138.334 79.502,138.08 U6.5@85.58,138.08
  SignalTop w0.254: v1(73.025,138.303) 73.088,138.367 78.168,138.367 v1(78.232,138.43)
  SignalBottom w0.254: v1(66.294,200.406) 70.009,196.691 70.009,181.832 72.136,179.705 72.136,162.052 67.31,157.226 67.31,153.543 73.66,147.193 73.66,140.208 73.025,139.573 v1(73.025,138.303)
NetC35_2: C35.2 U6.6 Y3.1 | length 28.7
  Top Layer w0.254: C35.2@63.849,128.541 68.768,128.541 Y3.1@68.834,128.607 70.695,128.607 71.628,129.54 71.628,135.128 v1(73.025,136.525) ; v1(78.232,136.652) 79.16,137.58 U6.6@85.58,137.58
  SignalTop w0.254: v1(73.025,136.525) 73.088,136.588 78.168,136.588 v1(78.232,136.652)
NetC54_1: C54.1 C55.2 J19.1 | length 9
  Top Layer w0.254: C54.1@117.881,47.53 120.524,47.53 C55.2@120.549,47.555 120.549,41.561 J19.1@120.305,41.316
NetC58_2: C58.2 D5.2 R29.2 | length 8.6
  Top Layer w0.18: D5.2@127.1,102.1 128.131,102.1 C58.2@130.324,99.907 ; C58.2@130.324,99.78 C58.2@130.324,99.907 ; R29.2@130.45,104.2 130.324,104.074 C58.2@130.324,99.907
NetC64_1: C64.1 S_RST1.1 U6.7 | length 139.9
  Top Layer w0.254: C64.1@38.244,49.181 39.656,49.181 41.108,50.633 S_RST1.1@41.108,52.336 S_RST1.1@41.108,66.536 41.148,66.576 v1(41.148,69.469) ; v1(70.612,123.698) 72.771,125.857 72.771,129.447 80.404,137.08 U6.7@85.58,137.08
  Bottom Layer w0.254: v1(41.148,69.469) 45.847,69.469 52.705,76.327 75.946,76.327 84.499,84.88 84.499,106.001 69.85,120.65 69.85,122.936 v1(70.612,123.698)
NetC65_2: C65.2 R49.1 U12.2 | length 14.5
  Top Layer w0.254: R49.1@127.286,112.554 133.177,112.554 C65.2@133.255,112.632 133.272,112.649 U12.2@141.732,112.649
NetCN1_2: CN1.2 J3.2 | length 23.5
  Top Layer w0.254: v1(51.562,217.297) 52.847,218.582 CN1.2@52.847,222.317
  SignalTop w0.254: v1(51.562,217.297) 53.086,218.821 67.31,218.821 J3.2@68.453,219.964
NetCN1_3: CN1.3 J2.2 | length 17.4
  Top Layer w0.254: v1(51.562,219.075) 51.562,220.599 52.197,221.234 CN1.3@52.197,222.317
  SignalTop w0.254: v1(51.562,219.075) 51.562,219.202 52.324,219.964 J2.2@65.024,219.964
NetCN1_4: CN1.4 R22.2 | length 25.6
  Top Layer w0.254: v1(49.149,219.202) 49.424,219.202 49.927,219.705 50.16,219.705 51.542,221.087 51.542,222.312 CN1.4@51.547,222.317 ; v1(54.483,202.184) 54.483,204.103 R22.2@54.5,204.121
  SignalTop w0.254: v1(49.149,219.202) 49.149,207.518 v1(54.483,202.184)
NetCN7_1: CN7.1 J18.2 | length 8.7
  Top Layer w0.254: CN7.1@109.608,64.255 109.608,65.779 108.712,66.675 108.712,70.739 109.213,71.24 J18.2@110.37,71.24
NetCN7_11: CN7.11 CN8.1 | length 9
  Top Layer w0.254: CN7.11@104.528,51.495 104.528,46.99 CN8.1@107.71,43.808
NetCN7_12: CN7.12 CN8.2 | length 8
  Top Layer w0.254: CN7.12@101.988,51.495 101.988,44.792 102.71,44.07 CN8.2@102.71,43.808
NetCN7_13: CN7.13 CN8.3 | length 8.4
  Top Layer w0.254: CN8.3@97.71,43.808 99.448,45.546 CN7.13@99.448,51.495
NetCN7_14: CN7.14 CN8.4 | length 9.4
  Top Layer w0.254: CN8.4@92.71,43.808 96.908,48.006 CN7.14@96.908,51.495
NetD3_2: D3.2 R17.1 | length 12.1
  Top Layer w0.254: D3.2@91.567,189.993 92.836,189.993 94.234,188.595 99.822,188.595 100.457,187.96 100.457,187.325 101.124,186.658 R17.1@101.964,186.658
NetD4_1: D4.1 R21.1 | length 7.7
  Top Layer w0.254: D4.1@94.742,189.993 96.392,189.993 97.409,188.976 101.932,188.976 R21.1@101.964,188.944
NetD6_1: D6.1 R36.2 | length 2.4
  Top Layer w0.254: D6.1@126.237,141.986 128.637,141.986 R36.2@128.668,142.018
NetD7_1: D7.1 R38.2 | length 2.5
  Top Layer w0.254: D7.1@126.237,138.847 128.537,138.847 R38.2@128.668,138.716
NetD8_1: D8.1 R39.2 | length 2.4
  Top Layer w0.254: D8.1@126.237,135.709 128.637,135.709 R39.2@128.668,135.74
NetD9_1: D9.1 R40.2 | length 2.4
  Top Layer w0.254: D9.1@126.237,132.57 128.637,132.57 R40.2@128.668,132.602
NetD10_1: D10.1 R42.2 | length 2.4
  Top Layer w0.254: D10.1@126.237,129.431 128.637,129.431 R42.2@128.668,129.463
NetD11_1: D11.1 R43.2 | length 2.4
  Top Layer w0.254: D11.1@126.237,126.292 128.637,126.292 R43.2@128.668,126.324
NetD12_1: D12.1 R44.2 | length 2.4
  Top Layer w0.254: D12.1@126.237,123.154 128.637,123.154 R44.2@128.668,123.185
NetD13_1: D13.1 R46.2 | length 2.4
  Top Layer w0.254: D13.1@126.237,120.015 128.637,120.015 R46.2@128.668,120.047
NetD14_1: D14.1 R50.2 | length 8.1
  Top Layer w0.254: R50.2@132.825,161.004 132.92,160.909 D14.1@140.843,160.909
NetJ2_1: J2.1 R13.2 R20.2 | length 16.1
  Top Layer w0.254: R20.2@61.324,204.184 R13.2@61.324,206.343 61.419,206.248 63.373,206.248 65.024,207.899 v1(65.024,208.026)
  SignalTop w0.254: v1(65.024,208.026) J2.1@65.024,217.424
NetJ3_1: J3.1 R18.2 | length 20.2
  Top Layer w0.254: R18.2@61.324,202.025 62.452,202.025 66.929,206.502 v1(66.929,208.026)
  SignalTop w0.254: v1(66.929,208.026) 65.532,209.423 65.532,214.503 J3.1@68.453,217.424
NetJ4_3: J4.3 R25.1 | length 3.2
  Top Layer w0.254: R25.1@70.883,150.908 70.915,150.876 J4.3@74.041,150.876
NetJ5_2: J5.2 U5.7 | length 14.5
  Top Layer w0.254: v1(76.2,53.467) 77.216,53.467 78.105,54.356 U5.7@80.137,54.356
  SignalBottom w0.254: J5.2@68.734,60.024 75.184,53.574 76.093,53.574 v1(76.2,53.467)
NetJ10_1: J10.1 P4.2 | length 129.2
  SignalTop w0.254: J10.1@51.587,121.412 53.365,123.19 56.642,123.19 59.817,126.365 59.817,153.859 70.677,164.719 v1(79.121,164.719)
  SignalBottom w0.254: v1(79.121,164.719) 91.186,164.719 92.456,165.989 92.456,177.047 113.656,198.247 121.539,198.247 124.093,195.693 P4.2@124.093,194.416
NetJ11_1: J11.1 P5.2 | length 122.2
  SignalTop w0.254: J11.1@54.737,121.412 54.991,121.666 56.388,121.666 60.579,125.857 60.579,153.543 70.485,163.449 77.597,163.449 v1(77.724,163.576)
  SignalBottom w0.254: v1(77.724,163.576) 90.932,163.576 93.091,165.735 93.091,176.784 114.046,197.739 118.364,197.739 120.55,195.553 P5.2@120.55,194.416